# Altium PCB SIM.PcbDoc (part 2 of 2)
Units mm, origin at the board's own origin, x right, y up, seen from the top; angles counter-clockwise.
Board outline 97.32 x 70.78 mm, 2 copper layers (Top Layer, Bottom Layer), stack 1.031 mm thick; 105 components, 81 nets, 458 pads, 378 vias.
Unrouted connection lines stored in the file: 3.
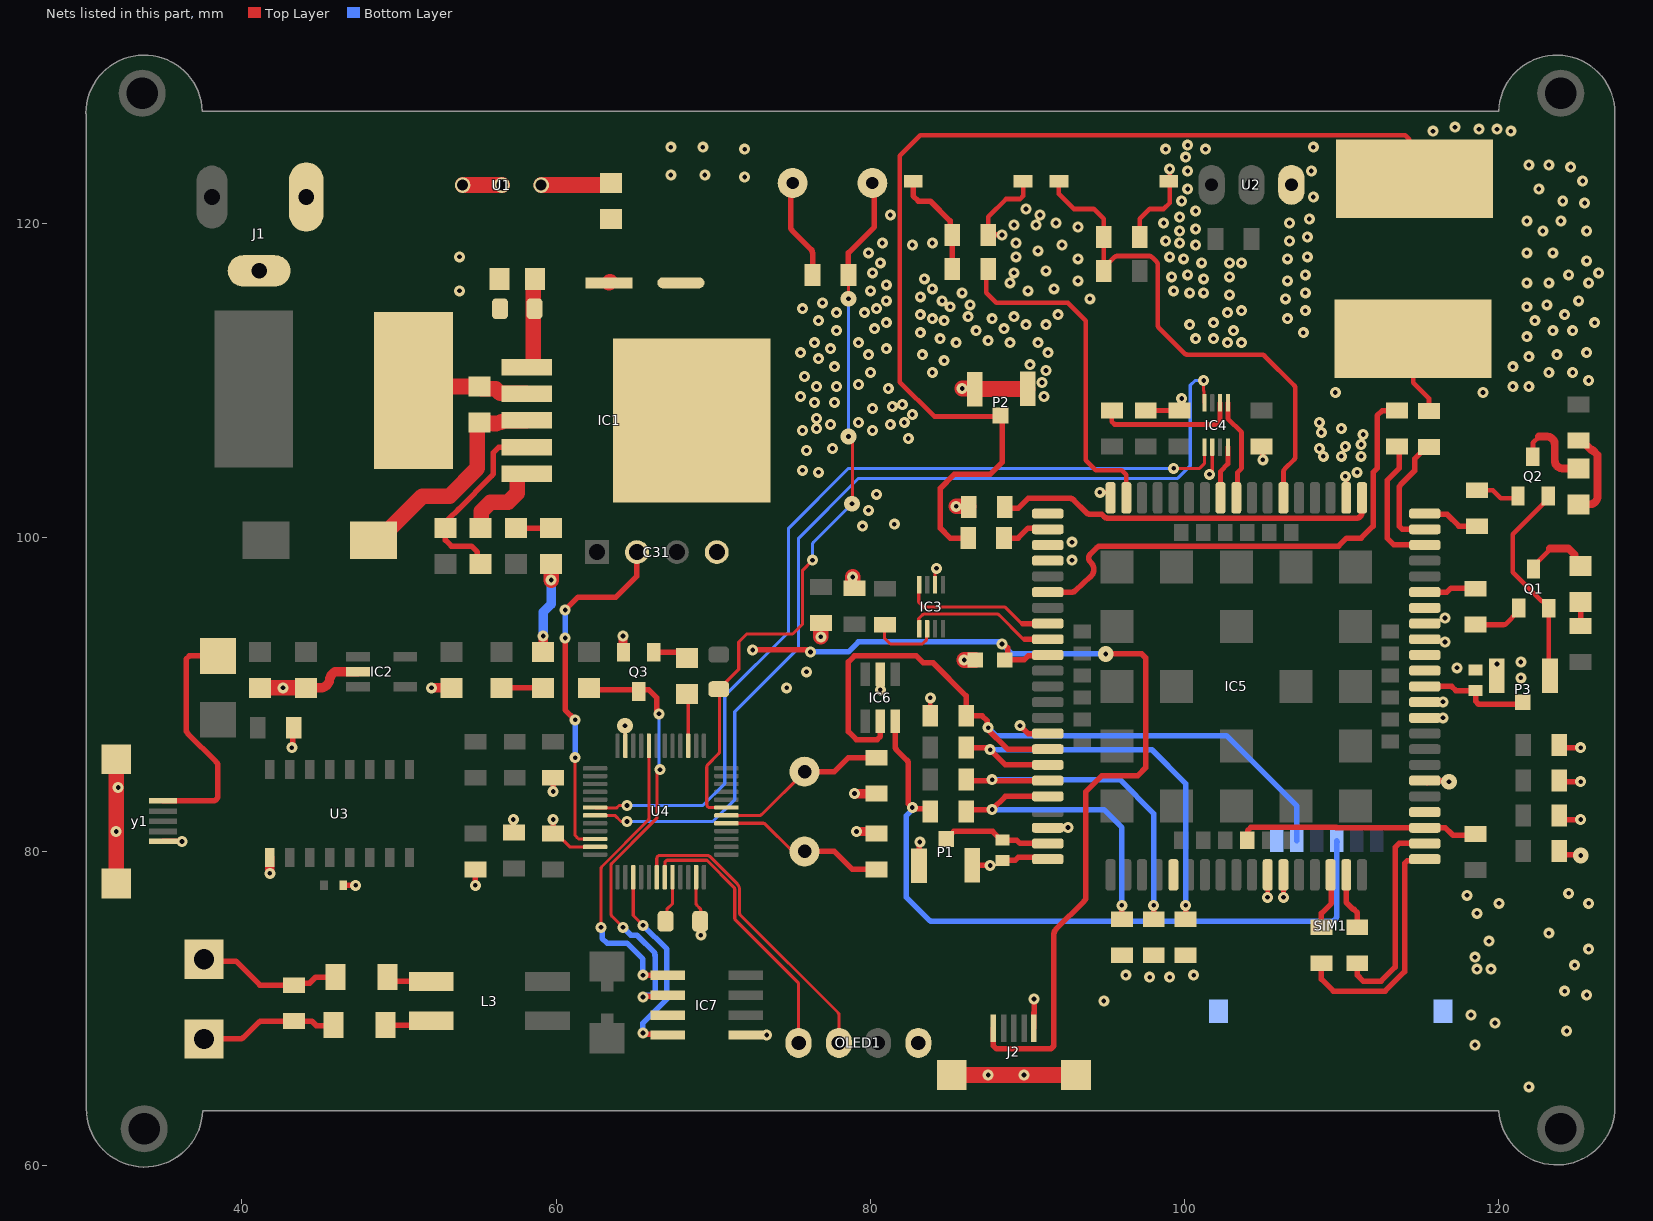
[diagram p2: the nets of this part, all layers, seen from the top]

## Via types
v1: diameter 0.7, hole 0.3, Top Layer to Bottom Layer, 361 vias
v2: diameter 1, hole 0.3, Top Layer to Bottom Layer, 17 vias

## Nets (pads, with @x,y where several pads share a name; then routed paths per layer and width w, separated by ;. In a path a pad name is that pad's centre, name@x,y a point inside that pad or via, vN(x,y) a via of type N, cw(c..) or ccw(c..) an arc to the next point about the centre after c; other vN are vias at no path point) (continued)
DE/RE: IC7.2 IC7.3 Q3.3 R25.2 | length 28.8
  Top Layer w0.2: v1(64.262,75.184) 63.559,75.887 cw(c63.7,76.029) 63.5,76.029 63.5,79.122 cw(c63.7,79.122) 63.559,79.263 66.067,81.772 66.421,82.126 66.421,82.252 66.421,84.941 cw(c66.621,84.941) 66.479,85.082 v1(66.614,85.217) ; IC7.2@66.769,70.666 IC7.2@66.905,70.802
  Top Layer w0.35: R25.2@62.103,90.424 62.23,90.297 65.913,90.297 66.424,89.786 66.424,88.897 v1(66.548,88.773) ; v1(65.532,70.739) 65.596,70.802 66.905,70.802 67.058,70.802 IC7.2@67.121,70.866
  Bottom Layer w0.2: v1(66.548,88.773) 66.548,85.366 ccw(c66.748,85.366) 66.607,85.224 v1(66.614,85.217)
  Bottom Layer w0.35: v1(64.262,75.184) 64.77,74.676 65.151,74.676 66.294,73.533 66.294,73.406 66.307,73.393 66.307,71.081 66.089,70.863 65.656,70.863 v1(65.532,70.739)
DIO: C31.2 U4.34 | length 23
  Top Layer w0.2: v1(61.214,85.979) 61.214,81.026 61.309,80.931 61.309,80.921 61.426,80.804 U4.34@62.484,80.804
  Top Layer w0.35: v1(60.579,93.599) 60.579,89.027 v1(61.214,88.392) ; v1(60.579,95.377) 60.579,95.504 60.706,95.504 61.4,96.198 63.813,96.198 65.151,97.536 C31.2@65.151,99.06
  Bottom Layer w0.35: v1(60.579,93.599) v1(60.579,95.377) ; v1(61.214,85.979) v1(61.214,88.392)
GND: C1.2 C2.2 C3.1 C4.1 C5.1 C6.2 C7.2 C8.1 C9.1 C10.1 C11.1 C12.1 C13.1 C14.1 C15.1 C17.1 C18.1 C19.1 C20.2 C21.2 C22.2 C23.1 C24.1 C25.1 C26.1 C27.2 C28.2 C29.2 C30.1 C31.4 C32.1 C33.2 D2.1 D5.2 D6.2 IC1.3 IC1.5 IC1.6 IC2.2 IC3.2 IC4.2 IC5.2 IC5.17 IC5.18 IC5.29 IC5.39 IC5.45 IC5.46 IC5.54 IC5.58 IC5.59 IC5.61 IC5.62 IC5.63 IC5.64 IC5.65 IC5.89 IC5.91 IC5.92 IC5.94 IC6.2 IC7.5 J1.3 J2.5 OLED1.1 P1.2 P1.3 P2.2 P2.3 P3.2 P3.3 PW1.2 PW2.2 Q1.2 Q2.2 Q3.2 R3.1 R14.1 R24.2 R30.2 S1.1 S2.1 SIM1.5 SIM1.8 SW1.2 U2.1 U3.1 U4.23 U4.35 U4.47 y1.5 | length 143.2
  Top Layer w0.2: C28.2@59.817,81.153 60.015,81.153 60.864,80.304 U4.35@62.484,80.304 ; v2(64.389,88.011) 64.401,87.999 64.401,86.771 64.389,86.759 U4.23@64.414,86.734 ; U4.47@68.914,78.374 68.914,76.711 ccw(c69.114,76.711) 68.972,76.57 69.157,76.385 cw(c69.015,76.244) 69.215,76.245 ; v1(69.215,74.676) 69.172,74.719 R24.2@69.172,75.565 69.088,75.649 69.215,75.776 69.215,76.244 ; IC3.2@84.124,96.985 84.124,97.807 84.217,97.901 v1(84.217,98.028) ; v1(101.6,104.013) 101.768,104.181 IC4.2@101.768,105.749
  Top Layer w0.3: v1(80.645,90.297) IC6.2@80.645,91.289 ; C26.1@83.82,88.646 v1(83.82,89.789) ; C18.1@87.503,119.253 87.503,120.396 88.646,121.539 89.535,121.539 89.733,121.737 S1.1@89.733,122.682 ; IC5.89@91.298,101.517 IC5.89@91.342,101.473 ; v1(94.615,102.87) 94.998,102.87 cw(c94.998,102.57) 95.298,102.57 IC5.17@95.298,102.517 ; C22.2@97.155,119.126 97.155,120.269 97.79,120.904 98.679,120.904 99.06,121.285 99.06,122.626 S2.1@99.004,122.682 99.06,122.932 v1(99.06,123.444) ; C19.1@97.536,108.077 C15.1@99.695,108.077 C15.1@99.791,108.343 ; C15.1@99.792,108.344 ccw(c99.509,108.445) 99.809,108.436 v1(99.822,108.839) ; v1(105.283,77.089) 105.298,77.104 IC5.45@105.298,78.517 ; IC5.46@106.298,78.517 106.299,77.676 v1(106.299,77.089) ; IC5.2@110.236,103.358 IC5.2@110.298,102.517 110.298,103.824 v1(110.236,103.886) ; Q2.2@123.159,102.636 123.159,102.461 120.904,100.205 120.904,97.783 122.747,95.94 122.922,95.94 123.197,95.665 123.197,91.266 P3.3@123.269,91.194 ; C9.1@123.859,80.047 C9.1@124.209,79.793 ; C10.1@123.859,82.291 C10.1@124.209,82.042 ; C8.1@123.859,84.535 C8.1@124.209,84.455 ; C11.1@123.859,86.778 C11.1@124.209,86.614 ; v2@125.185,79.793 v2(125.222,79.756)
  Top Layer w0.35: y1.5@34.972,80.658 34.975,80.655 36.058,80.655 36.068,80.645 v1(36.195,80.645) ; v1(43.18,86.614) 43.243,86.677 43.243,87.694 43.18,87.757 C20.2@43.307,87.884 ; C21.2@46.457,77.851 v1(47.244,77.851) ; v1(54.864,77.851) R30.2@54.864,78.867 ; v1(57.277,82.042) 57.277,81.267 C27.2@57.328,81.216 ; C28.2@59.817,81.153 v1(59.817,82.042) ; v1(59.817,83.82) C33.2@59.817,84.709 ; IC7.5@72.071,68.326 v1(73.406,68.326) ; SW1.2@75.057,122.555 74.93,122.428 74.93,119.779 ccw(c75.28,119.779) 75.032,119.532 76.225,118.339 cw(c75.977,118.092) 76.327,118.092 C29.2@76.327,116.713 ; P1.3@83.158,79.164 P1.3@83.106,79.113 83.106,80.553 v1(83.158,80.605) ; P1.2@86.494,79.118 86.819,79.121 v1(87.63,79.121) ; C18.1@87.503,119.253 v1(88.392,119.253) ; D5.2@88.429,79.438 89.218,79.438 89.409,79.629 91.186,79.629 IC5.94@91.298,79.517 ; v1(89.535,88.011) 90.043,87.503 91.284,87.503 IC5.29@91.298,87.517 ; J2.5@90.411,68.754 90.414,68.757 90.414,69.727 90.424,69.737 v1(90.424,70.612) ; IC5.92@91.298,81.517 91.315,81.534 91.324,81.525 92.574,81.525 v1(92.583,81.534) ; C14.1@104.902,105.791 104.992,105.466 v1(104.992,104.936) ; IC5.54@115.441,84.374 IC5.54@115.298,84.517 116.778,84.517 v2(116.84,84.455) ; C9.1@124.209,79.793 v2@125.185,79.793 ; C10.1@124.209,82.042 v1(125.222,82.042) ; C8.1@124.209,84.455 v1(125.222,84.455) ; C11.1@124.209,86.614 v1(125.222,86.614)
  Top Layer w0.6: v1(41.783,78.613) U3.1@41.783,79.623 ; C6.2@44.092,90.424 44.993,90.424 ccw(c44.993,91.024) 45.581,90.903 45.605,91.023 cw(c46.193,90.902) 45.928,91.44 IC2.2@47.395,91.44 ; v1(52.07,90.424) C7.2@53.34,90.424 ; PW2.2@59.182,92.71 v1(59.182,93.726) ; v1(64.262,93.726) 64.262,92.99 Q3.2@64.293,92.69 ; v1(78.994,83.693) C32.1@80.391,83.693 ; v1(79.121,81.28) 80.264,81.28 C30.1@80.391,81.153
  Top Layer w1: y1.5@32.004,77.978 y1.5@32.004,85.878 ; C5.1@41.148,90.424 C6.2@44.092,90.424 ; C1.2@48.387,99.822 48.687,99.822 51.481,102.616 53.213,102.616 54.991,104.394 54.991,107.18 D2.1@55.118,107.315 55.317,107.323 55.613,107.323 cw(c55.382,106.35) 55.695,107.3 ccw(c56.042,108.344) 56.509,107.348 cw(c56.932,106.442) 56.93,107.442 57.817,107.442 IC1.3@58.135,107.442 ; R3.1@55.198,100.584 55.245,100.631 55.245,101.649 55.831,102.235 56.945,102.235 57.531,102.821 57.531,104.017 57.556,104.042 IC1.5@58.135,104.042 ; v1(59.69,97.282) PW1.2@59.69,98.298 ; v1(76.851,93.667) C13.1@76.851,94.556 ; v1(78.883,97.477) 78.883,96.758 C12.1@79.01,96.758 ; J2.5@85.191,65.786 J2.5@93.091,65.786 ; v1(85.471,101.981) 86.27,101.981 R14.1@86.27,101.947 ; v1(85.852,109.474) 86.644,109.474 P2.2@86.644,109.443 90.032,109.443 P2.3@90.032,109.448 ; v1(85.979,92.202) C17.1@86.69,92.202
  Bottom Layer w0.6: v1(59.182,93.726) 59.182,95.25 59.69,95.758 v1(59.69,97.282)
  other v1: 121.92,65.024 87.503,65.786 89.789,65.786 118.491,67.691 124.333,68.58 119.761,69.088 118.237,69.596 94.869,70.485 125.603,70.866 124.206,71.12 97.79,72.009 99.06,72.009 96.266,72.136 100.584,72.136 118.618,72.517 119.507,72.517 124.841,72.771 118.491,73.279 125.73,73.787 119.38,74.295 123.19,74.803 118.618,76.073 120.015,76.708 125.73,76.708 117.983,77.216 124.46,77.343 32.004,81.28 32.131,84.074 116.459,88.519 116.459,89.535 42.62,90.424 74.676,90.424 121.412,91.059 75.946,91.44 117.348,91.694 119.888,91.948 121.412,92.075 116.586,93.345 116.586,94.869 92.837,98.552 92.837,99.695 79.502,100.711 81.534,100.838 79.883,101.727 80.391,102.743 76.708,104.14 110.998,104.14 75.692,104.267 108.839,105.156 109.982,105.156 111.252,105.156 75.946,105.537 77.597,105.664 108.585,105.664 110.236,105.791 111.252,105.918 82.423,106.299 111.379,106.553 108.712,106.68 75.692,106.807 80.137,106.807 76.581,106.934 109.982,106.934 77.47,107.188 81.28,107.188 79.248,107.315 82.169,107.315 108.585,107.315 76.581,107.569 82.677,107.823 80.137,108.204 81.407,108.331 82.042,108.458 76.454,108.585 77.724,108.585 75.565,108.966 91.059,108.966 109.601,109.22 118.999,109.22 81.153,109.474 76.581,109.601 77.851,109.601 120.904,109.601 121.92,109.601 79.248,109.728 90.932,109.855 125.73,109.982 75.819,110.236 80.01,110.49 83.947,110.49 123.19,110.49 124.714,110.49 91.186,110.617 77.724,110.871 120.904,110.871 90.17,110.998 84.709,111.252 76.708,111.379 121.92,111.506 79.883,111.633 83.312,111.633 123.698,111.633 75.565,111.76 91.313,111.76 125.603,111.76 77.47,112.014 81.026,112.014 76.454,112.395 79.248,112.395 85.471,112.395 88.9,112.395 90.678,112.395 102.743,112.395 103.632,112.395 87.503,112.522 84.455,112.649 100.711,112.649 101.854,112.649 121.793,112.776 83.185,113.03 107.569,113.03 77.851,113.157 86.741,113.157 103.124,113.157 123.444,113.157 124.714,113.157 80.264,113.284 88.519,113.284 89.916,113.538 91.186,113.538 100.33,113.538 81.026,113.665 101.854,113.665 126.111,113.665 76.708,113.792 84.709,113.792 122.301,113.792 83.947,113.919 87.757,113.919 106.553,113.919 86.233,114.046 89.154,114.046 83.185,114.173 91.948,114.173 124.206,114.173 77.851,114.3 79.629,114.3 102.743,114.3 103.632,114.427 107.696,114.427 75.692,114.554 80.391,114.554 85.09,114.681 121.793,114.681 86.36,114.808 123.063,114.808 76.962,114.935 81.026,115.062 84.582,115.062 125.095,115.062 93.98,115.189 106.426,115.189 83.185,115.316 102.87,115.443 85.852,115.57 100.33,115.57 101.219,115.57 107.696,115.57 53.848,115.697 80.01,115.697 90.043,115.697 99.314,115.697 83.947,115.824 91.694,115.824 81.026,116.078 88.9,116.205 121.793,116.205 123.19,116.205 125.73,116.205 93.218,116.332 106.553,116.332 83.439,116.459 101.219,116.459 99.187,116.586 102.87,116.586 100.203,116.713 107.696,116.713 124.46,116.713 80.137,116.84 89.154,116.84 126.365,116.84 91.186,116.967 80.645,117.475 101.092,117.475 102.87,117.475 103.632,117.475 125.603,117.602 93.218,117.729 99.949,117.729 106.553,117.729 53.848,117.856 89.281,117.856 99.06,117.856 107.823,117.856 79.883,118.11 121.793,118.11 123.444,118.11 90.678,118.237 82.677,118.618 92.202,118.618 100.711,118.618 80.772,118.745 83.947,118.745 89.281,118.745 99.695,118.745 98.806,118.872 106.68,118.872 107.823,119.126 99.695,119.507 122.809,119.507 125.603,119.507 100.711,119.634 93.218,119.761 89.154,119.888 90.551,119.888 91.821,120.015 98.679,120.015 106.68,120.015 121.793,120.142 123.952,120.142 107.95,120.269 99.695,120.396 81.28,120.523 90.805,120.523 100.711,120.777 89.916,120.904 125.476,121.285 99.822,121.412 124.079,121.412 108.204,121.666 100.203,122.174 122.555,122.174 125.349,122.682 72.009,122.936 67.31,123.063 69.469,123.063 100.203,123.317 108.077,123.317 124.587,123.571 121.92,123.698 123.19,123.698 100.076,124.206 72.009,124.714 98.806,124.714 101.346,124.714 67.31,124.841 69.342,124.841 108.204,124.841 100.203,124.968 115.824,125.857 120.777,125.857 118.745,125.984 119.888,125.984 117.221,126.111
LOG_RX: IC3.4 IC5.22 | length 9.9
  Top Layer w0.2: IC3.4@83.124,96.985 83.089,96.95 83.089,95.937 ccw(c83.289,95.937) 83.147,95.796 83.312,95.631 ccw(c83.453,95.772) 83.453,95.572 88.495,95.572 cw(c88.495,95.372) 88.635,95.515 89.575,94.575 ccw(c89.716,94.717) 89.715,94.517
  Top Layer w0.35: 89.715,94.517 IC5.22@91.298,94.517
LOG_TX: IC3.5 IC5.23 | length 9.6
  Top Layer w0.2: IC3.5@83.124,94.175 83.089,94.21 83.089,94.838 83.311,95.061 cw(c83.452,94.918) 83.452,95.118 88.06,95.118 cw(c88.06,94.918) 88.201,95.06 89.687,93.574 ccw(c89.827,93.717) 89.826,93.517
  Top Layer w0.35: 89.826,93.517 IC5.23@91.298,93.517
NET: IC5.52
NetC16_1: C16.1 IC5.90 | length 3.2
  Top Layer w0.35: C16.1@88.646,99.822 C16.1@88.519,99.949 89.408,99.949 90.043,100.584 91.231,100.584 IC5.90@91.298,100.517
NetC16_2: C16.2 L2.1 P2.1 | length 69.7
  Top Layer w0.3: P2.1@88.292,107.755 88.233,107.696 84.074,107.696 81.883,109.887 81.883,124.301 83.185,125.603 114.046,125.603 114.3,125.349 114.3,123.175 L2.1@114.65,122.825
  Top Layer w0.35: C16.2@86.233,99.949 85.09,99.949 84.455,100.584 84.455,103.124 85.344,104.013 87.63,104.013 88.392,104.775 88.392,107.655 P2.1@88.292,107.755
NetC18_2: C18.2 R16.1 S1.2 | length 7.1
  Top Layer w0.35: S1.2@82.733,122.682 82.733,121.737 83.058,121.412 83.82,121.412 85.09,120.142 85.09,119.38 C18.2@85.217,119.253 R16.1@85.217,117.094
NetC22_1: C22.1 IC5.6 R19.2 S2.2 | length 33.3
  Top Layer w0.3: S2.2@92.004,122.682 92.004,121.864 92.964,120.904 94.234,120.904 94.869,120.269 C22.1@94.869,119.126 R19.2@94.869,117.165 ; R19.2@94.869,116.967 R19.2@94.869,117.165 ; IC5.6@106.298,102.517 106.299,103.358 106.299,104.143 cw(c106.599,104.143) 106.387,104.355 106.973,104.941 ccw(c106.761,105.153) 107.061,105.153 107.061,109.477 ccw(c106.761,109.477) 106.973,109.689 105.117,111.545 ccw(c104.905,111.333) 104.905,111.633 100.2,111.633 cw(c100.2,111.933) 99.989,111.72 98.386,113.323 cw(c98.598,113.535) 98.298,113.535 98.298,117.351 ccw(c97.998,117.351) 98.21,117.563 97.944,117.829 ccw(c97.733,117.616) 97.733,117.916 95.743,117.915 ccw(c95.743,117.616) 95.531,117.828 R19.2@94.869,117.165
NetC23_2: C23.2 IC5.32 R22.1 | length 23.1
  Top Layer w0.35: R22.1@86.106,84.582 86.171,84.517 IC5.32@91.298,84.517 ; C23.2@98.044,75.692 v1(98.044,76.581)
  Bottom Layer w0.35: v1(87.757,84.582) 95.885,84.582 98.044,82.423 v1(98.044,76.581)
NetC24_2: C24.2 IC5.33 R21.1 | length 20.2
  Top Layer w0.35: R21.1@86.106,82.55 86.233,82.677 v1(87.757,82.677) 88.597,83.517 IC5.33@91.298,83.517 ; C24.2@96.012,75.692 v1(96.012,76.581)
  Bottom Layer w0.35: v1(87.757,82.677) 94.869,82.677 96.012,81.534 v1(96.012,76.581)
NetC25_2: C25.2 IC5.31 R20.1 | length 27.6
  Top Layer w0.35: R20.1@86.106,86.614 87.503,86.614 v1(87.63,86.487) 88.577,85.54 91.275,85.54 IC5.31@91.298,85.517 ; C25.2@100.076,75.692 v1(100.076,76.581)
  Bottom Layer w0.35: v1(87.63,86.487) 97.917,86.487 100.076,84.328 v1(100.076,76.581)
NetC29_1: C29.1 R23.2 SW1.1 U4.7 | length 47.3
  Top Layer w0.2: U4.7@70.844,82.804 69.795,82.804 cw(c69.796,83.004) 69.596,83.003 69.596,85.389 cw(c69.796,85.388) 69.654,85.529 70.343,86.218 ccw(c70.201,86.359) 70.401,86.359 70.401,90.297 R23.2@70.358,90.34 70.569,90.551 70.638,90.551 70.823,90.736 70.823,90.805 71.628,91.61 71.628,93.345 72.136,93.853 75.057,93.853 75.692,94.488 75.692,97.917 v1(76.327,98.552) ; v2(78.613,106.426) 78.808,106.231 cw(c78.667,106.089) 78.867,106.089 78.867,102.245 cw(c78.667,102.246) v2(78.836,102.139) ; v2(78.613,115.189) C29.1@78.613,116.713
  Top Layer w0.35: C29.1@78.613,116.713 78.613,118.11 80.264,119.761 80.264,122.428 SW1.1@80.137,122.555
  Bottom Layer w0.2: v1(76.327,98.552) 76.327,99.548 cw(c76.527,99.547) 76.385,99.688 v2(78.836,102.139) ; v2(78.613,106.426) v2(78.613,115.189)
NetC30_2: C30.2 U4.5 X1.2 | length 10.7
  Top Layer w0.2: U4.5@70.844,81.804 73.18,81.804 cw(c73.18,81.604) 73.321,81.746 74.999,80.068 ccw(c75.14,80.21) 75.139,80.01 X1.2@75.819,80.01
  Top Layer w0.35: X1.2@75.819,80.01 77.724,80.01 78.867,78.867 C30.2@80.391,78.867
NetC32_2: C32.2 U4.6 X1.1 | length 11.1
  Top Layer w0.2: U4.6@70.844,82.304 72.95,82.304 ccw(c72.95,82.504) 73.091,82.362 X1.1@75.819,85.09
  Top Layer w0.35: X1.1@75.819,85.09 77.724,85.09 78.613,85.979 C32.2@80.391,85.979
NetD1_1: D1.1 U1.3 | length 4.5
  Top Layer w1: U1.3@59.055,122.428 63.373,122.428 D1.1@63.5,122.555
NetD2_2: D2.2 IC1.2 L1.1 | length 7.5
  Top Layer w1: L1.1@50.927,109.347 51.181,109.601 D2.2@55.118,109.601 55.253,109.466 56.142,109.466 56.441,109.167 58.11,109.167 IC1.2@58.135,109.142
NetD3_1: D3.1 R5.1 | length 2
  Top Layer w0.35: R5.1@124.872,94.156 ccw(c124.872,94.506) 125.119,94.258 R5.1@125.222,94.361 D3.1@125.222,95.885 D3.1@125.244,95.907
NetD3_2: D3.2 Q1.3 | length 4.6
  Top Layer w0.3: Q1.3@122.216,97.99 122.216,98.165 123.258,99.206 123.258,99.304
  Top Layer w0.5: 123.258,99.304 124.431,99.304 124.841,98.894 124.841,98.556 124.862,98.535 125.078,98.535 124.968,98.425 D3.2@125.222,98.171
NetD4_1: D4.1 R6.1 | length 5.7
  Top Layer w0.5: D4.1@125.095,102.108 125.798,102.108 ccw(c125.798,102.608) 126.297,102.608 126.297,105.238 125.967,105.568 125.897,105.568 125.293,106.172 R6.1@125.095,106.172
NetD4_2: D4.2 Q2.3 | length 5.6
  Top Layer w0.3: Q2.3@122.179,105.136 122.179,106.017 122.578,106.416
  Top Layer w0.5: 122.578,106.416 123.071,106.416 cw(c123.071,105.916) 123.571,105.916 123.571,104.892 ccw(c124.071,104.894) 124.069,104.394 D4.2@125.095,104.394
NetD5_1: D5.1 IC5.93 P1.1 | length 7.1
  Top Layer w0.35: P1.1@84.844,80.808 P1.1@84.846,80.806 84.963,80.923 84.963,81.075 85.115,81.075 85.32,81.28 87.787,81.28 88.331,80.736 88.428,80.736 D5.1@88.429,80.738 89.315,80.738 89.535,80.518 IC5.93@91.298,80.517 IC5.93@91.298,80.517
NetD6_1: D6.1 IC5.60 P3.1 | length 7.2
  Top Layer w0.35: IC5.60@115.298,90.517 117.001,90.517 117.27,90.248 D6.1@118.528,90.248 118.528,89.576 118.733,89.371 121.399,89.371 P3.1@121.529,89.501
NetD7_1: D7.1 y1.1 | length 15.3
  Top Layer w0.35: y1.1@34.972,83.228 38.131,83.228 ccw(c38.131,83.578) 38.481,83.578 38.481,85.453 ccw(c38.131,85.453) 38.379,85.7 36.55,87.529 cw(c36.799,87.775) 36.449,87.773 36.449,92.251 36.654,92.456 D7.1@38.481,92.456
NetF1_1: F1.1 L3.2 | length 3
  Top Layer w0.35: F1.1@49.149,68.961 51.779,68.961 L3.2@52.053,69.235
NetF1_2: F1.2 JP1.1 R29.1 | length 9.2
  Top Layer w0.35: JP1.1@37.592,68.072 39.86,68.072 ccw(c39.86,68.422) 40.107,68.174 41.046,69.113 cw(c41.293,68.865) 41.292,69.215 41.293,69.215 R29.1@43.307,69.215 44.45,69.215 44.75,68.915 45.802,68.915 F1.2@45.847,68.961 F1.2@45.593,69.215
NetF2_1: F2.1 L3.3 | length 2.9
  Top Layer w0.35: F2.1@49.276,72.009 49.53,71.755 52.033,71.755 L3.3@52.053,71.735
NetF2_2: F2.2 JP1.2 R29.2 | length 9.3
  Top Layer w0.35: JP1.2@37.592,73.152 37.719,73.025 39.624,73.025 41.148,71.501 R29.2@43.307,71.501 43.434,71.628 44.323,71.628 44.704,72.009 F2.2@45.974,72.009
NetIC1_4: IC1.4 R1.1 R3.2 | length 12.3
  Top Layer w0.35: R3.2@55.198,98.298 54.993,98.503 54.993,99.06 54.991,99.06 54.61,99.441 53.34,99.441 52.959,99.822 R1.1@52.959,100.584 53.086,100.711 53.086,100.948 cw(c53.436,100.947) 53.187,101.193 53.783,101.789 55.906,103.912 ccw(c55.657,104.158) 56.007,104.158 56.007,105.392 56.357,105.742 IC1.4@58.135,105.742
NetIC3_6: IC3.6 R7.2 | length 4.5
  Top Layer w0.2: R7.2@80.953,94.437 80.899,94.384 80.899,93.599 81.28,93.218 83.312,93.218 83.589,93.495 83.589,94.14 IC3.6@83.624,94.175
NetIC4_1: IC4.1 U4.30 | length 56.1
  Top Layer w0.2: U4.30@62.484,82.804 62.524,82.764 63.841,82.764 64.008,82.931 v1(64.516,82.931) ; v1(99.314,104.394) 100.965,104.394 101.268,104.697 IC4.1@101.268,105.749
  Bottom Layer w0.2: v1(64.516,82.931) 69.342,82.931 70.739,84.328 70.739,89.916 74.803,93.98 74.803,100.584 78.613,104.394 v1(99.314,104.394)
NetIC4_6: IC4.6 R9.2 | length 8.9
  Top Layer w0.3: R9.2@95.377,108.077 95.377,107.364 95.553,107.188 101.981,107.188 102.268,107.475 IC4.6@102.268,108.559
NetIC4_8: IC4.8 U4.31 | length 62.3
  Top Layer w0.2: U4.31@62.484,82.304 63.746,82.304 64.135,81.915 v1(64.516,81.915) ; v1(101.219,109.982) 101.219,109.332 101.233,109.318 101.233,108.594 IC4.8@101.268,108.559
  Bottom Layer w0.2: v1(64.516,81.915) 69.977,81.915 71.374,83.312 71.374,88.9 75.438,92.964 75.438,99.949 79.248,103.759 99.568,103.759 100.372,104.563 100.372,109.686 100.668,109.982 v1(101.219,109.982)
NetIC5_1: IC5.1 R14.2 | length 24.7
  Top Layer w0.35: R14.2@88.556,101.947 88.649,101.854 89.408,101.854 90.043,102.489 92.692,102.489 cw(c92.692,102.139) 92.938,102.388 93.75,101.576 ccw(c93.998,101.823) 93.997,101.473 94.729,101.473 94.88,101.322 ccw(c95.128,101.569) 95.128,101.219 110.948,101.219 ccw(c110.948,101.569) 111.298,101.569 IC5.1@111.298,102.517
NetIC5_16: IC5.16 R16.2 | length 22
  Top Layer w0.3: R16.2@87.503,117.094 87.376,116.967 87.376,115.57 87.885,115.061 88.011,114.935 92.583,114.935 93.726,113.792 93.726,104.902 94.361,104.267 96.012,104.267 96.298,103.981 IC5.16@96.298,102.517
NetIC5_20: IC5.20 R18.1 | length 32
  Top Layer w0.35: IC5.20@91.298,96.517 91.301,96.52 92.819,96.52 ccw(c92.819,96.87) 93.057,96.613 94.024,97.509 ccw(c93.599,97.968) 94.041,98.41 94.005,98.445 cw(c94.253,98.693) 94.005,98.94 94.404,99.339 cw(c94.652,99.092) 94.619,99.44 94.622,99.441 cw(c94.648,99.167) 94.648,99.442 96.748,99.442 cw(c96.748,99.167) 96.764,99.441 ccw(c96.782,99.791) 96.781,99.441 98.416,99.441 ccw(c98.415,99.791) 98.433,99.441 cw(c98.448,99.167) 98.448,99.442 100.548,99.442 cw(c100.548,99.167) 100.564,99.441 ccw(c100.582,99.791) 100.581,99.441 102.216,99.441 ccw(c102.215,99.791) 102.233,99.441 cw(c102.248,99.167) 102.248,99.442 104.348,99.442 cw(c104.348,99.167) 104.364,99.441 ccw(c104.382,99.791) 104.381,99.441 106.016,99.441 ccw(c106.015,99.791) 106.033,99.441 cw(c106.048,99.167) 106.048,99.442 108.148,99.442 cw(c108.148,99.167) 108.164,99.441 ccw(c108.182,99.791) 108.181,99.441 109.816,99.441 110.324,99.949 111.252,99.949 112.014,100.711 112.014,104.14 112.268,104.394 112.268,107.745 112.6,108.077 R18.1@113.538,108.077
NetIC5_49: IC5.49 R15.2 | length 3.6
  Top Layer w0.35: R15.2@108.712,75.184 108.712,76.073 109.347,76.708 109.347,78.468 IC5.49@109.298,78.517
NetIC5_50: IC5.50 R13.2 | length 3.7
  Top Layer w0.35: IC5.50@110.298,78.517 110.298,76.773 110.744,76.327 110.793,76.327 110.998,76.122 R13.2@110.998,75.184
NetIC5_95: IC5.95 R15.1 | length 15.4
  Top Layer w0.35: R15.1@108.712,72.898 108.712,71.882 109.474,71.12 112.776,71.12 114.015,72.359 114.015,79.248 114.173,79.406 115.187,79.406 IC5.95@115.298,79.517
NetIC5_96: IC5.96 R13.1 | length 13.3
  Top Layer w0.35: R13.1@110.998,72.898 110.998,72.136 111.379,71.755 112.522,71.755 113.411,72.644 113.411,80.264 113.664,80.517 IC5.96@115.298,80.517
NetIC5_97: IC5.97 IC5.116 R17.1 | length 15.6
  Top Layer w0.35: IC5.116@103.998,80.717 104.14,80.859 104.013,80.986 104.013,81.329 104.226,81.542 109.65,81.542 109.658,81.534 115.281,81.534 IC5.97@115.298,81.517 116.603,81.517 116.981,81.139 117.094,81.026 118.435,81.026 R17.1@118.528,81.119
NetIC5_98: IC5.98 R18.2 | length 9
  Top Layer w0.35: R18.2@113.411,105.825 R18.2@113.538,105.698 ; R18.2@113.538,105.791 113.665,105.664 113.665,104.394 112.903,103.632 112.903,99.949 113.335,99.517 IC5.98@115.298,99.517
NetIC5_99: IC5.99 R12.1 | length 7.6
  Top Layer w0.35: IC5.99@115.298,100.517 113.87,100.517 113.665,100.722 113.665,103.107 cw(c114.015,103.106) 113.766,103.352 114.656,104.242 114.656,105.004 115.307,105.655 cw(c115.554,105.407) 115.553,105.757 115.554,105.757 R12.1@115.57,105.757
NetIC7_1: IC7.1 U4.20 | length 19.3
  Top Layer w0.2: v1(62.865,75.184) 62.865,78.911 cw(c63.065,78.911) 62.924,79.053 65.856,81.985 ccw(c65.714,82.126) 65.914,82.126 U4.20@65.914,86.734
  Top Layer w0.35: v1(65.532,72.136) IC7.1@67.121,72.136
  Bottom Layer w0.35: v1(62.865,75.184) 62.932,75.117 62.932,74.482 63.246,74.168 64.516,74.168 65.532,73.152 v1(65.532,72.136)
NetIC7_4: IC7.4 U4.39 | length 13.1
  Top Layer w0.2: U4.39@64.914,78.374 64.914,75.929 v1(65.532,75.311)
  Top Layer w0.35: v1(65.532,68.453) 65.596,68.389 67.058,68.389 IC7.4@67.121,68.326
  Bottom Layer w0.35: v1(65.532,68.453) 65.532,69.088 67.056,70.612 67.056,73.787 v1(65.532,75.311)
NetJ1_1: J1.1 U1.1 U1.2 | length 2.5
  Top Layer w1: U1.1@54.055,122.428 U1.2@56.555,122.428
NetL2_2: L2.2 R12.2 | length 5
  Top Layer w0.3: L2.2@114.554,112.649 114.554,109.855 115.57,108.839 R12.2@115.57,108.043
NetPW1_1: PW1.1 R2.2 | length 2.3
  Top Layer w0.35: R2.2@57.438,100.584 PW1.1@59.69,100.584
NetPW2_1: PW2.1 R4.1 | length 2.7
  Top Layer w0.35: R4.1@56.515,90.424 PW2.1@59.182,90.424
NetQ1_1: Q1.1 R10.1 | length 3.3
  Top Layer w0.3: 120.306,94.454 120.405,94.454 121.272,95.32 Q1.1@121.272,95.495
  Top Layer w0.35: R10.1@118.528,94.454 120.306,94.454
NetQ2_1: Q2.1 R11.1 | length 2.9
  Top Layer w0.3: R11.1@118.618,102.997 119.634,102.997 120.142,102.489 121.082,102.489 Q2.1@121.234,102.641
NetQ3_1: Q3.1 R26.2 | length 2.3
  Top Layer w0.35: Q3.1@66.218,92.685 67.97,92.685 R26.2@68.326,92.329
NetR24_1: R24.1 U4.44 | length 3
  Top Layer w0.2: R24.1@66.972,75.565 67.056,75.649 67.056,76.327 67.414,76.685 U4.44@67.414,78.374
NetR26_1: R26.1 U4.15 | length 3.3
  Top Layer w0.2: R26.1@68.326,90.043 68.414,89.955 U4.15@68.414,86.734
OLED_SCL: OLED1.3 U4.42 | length 19.9
  Top Layer w0.2: U4.42@66.414,78.374 66.414,79.557 cw(c66.614,79.556) 66.613,79.756 67.9,79.756 cw(c67.9,79.556) 67.917,79.755 67.98,79.75 ccw(c67.997,79.949) 67.996,79.749 69.607,79.749 cw(c69.606,79.449) 69.818,79.661 71.527,77.952 cw(c71.174,77.598) 71.674,77.598 71.674,76.11 ccw(c71.874,76.11) 71.732,75.969 77.945,69.756 cw(c77.803,69.615) 78.003,69.616 ; OLED1.3@78.003,67.818 78.003,69.615
OLED_SDA: OLED1.4 U4.43 | length 17.7
  Top Layer w0.2: U4.43@66.914,78.374 66.929,78.389 66.929,79.322 67.056,79.449 69.606,79.449 71.315,77.739 cw(c71.174,77.598) 71.374,77.598 71.374,75.773 ccw(c71.574,75.775) 71.432,75.634 75.379,71.687 cw(c75.238,71.545) 75.438,71.546 ; OLED1.4@75.438,67.818 75.438,71.545
RESET: IC6.6 R21.2 SIM1.2 | length 46
  Top Layer w0.35: IC6.6@81.595,88.289 81.595,86.658 ccw(c81.849,86.658) 81.669,86.479 82.349,85.799 cw(c82.169,85.62) 82.423,85.62 82.423,83.058 v1(82.677,82.804) 82.755,82.726 83.263,82.726 83.644,82.726 R21.2@83.82,82.55
  Bottom Layer w0.35: v1(82.677,82.804) 82.677,82.677 82.296,82.296 82.296,77.089 83.717,75.668 ccw(c83.965,75.915) 83.965,75.565 109.34,75.565 ccw(c109.339,75.915) 109.689,75.915 109.689,80.602 109.728,80.641 SIM1.2@109.689,80.68
SIM_PPS: IC5.100 R11.2 | length 3.7
  Top Layer w0.35: IC5.100@115.298,101.517 115.342,101.473 116.713,101.473 117.475,100.711 R11.2@118.618,100.711
SIM_RX: IC4.4 IC5.10 | length 3.4
  Top Layer w0.3: IC5.10@102.298,102.517 102.298,104.203 102.768,104.673 IC4.4@102.768,105.749
SIM_TX: IC4.5 IC5.9 | length 6.6
  Top Layer w0.3: IC4.5@102.768,108.559 102.768,107.544 103.632,106.68 103.632,104.394 103.378,104.14 103.378,102.691 103.251,102.564 IC5.9@103.298,102.517
STATUS: IC5.66 R10.2 | length 3.4
  Top Layer w0.35: IC5.66@115.298,96.517 116.71,96.517 116.967,96.774 118.494,96.774 R10.2@118.528,96.74
V_USIM: C26.2 IC5.30 IC6.5 SIM1.1 | length 48
  Top Layer w0.35: IC6.5@80.645,88.289 80.645,87.327 80.44,87.122 79.121,87.122 78.613,87.63 78.613,92.075 78.994,92.456 82.931,92.456 83.376,92.011 84.01,92.011 86.106,89.916 C26.2@86.106,88.646 87.122,88.646 87.436,88.332 87.436,87.951 v1(87.503,87.884) ; v1@87.439,87.82 88.743,86.517 IC5.30@91.298,86.517
  Bottom Layer w0.35: v1(87.503,87.884) 88.011,87.376 102.665,87.376 107.149,82.892 SIM1.1@107.149,80.68
VBUS: C17.2 IC5.24 J2.1 | length 63.5
  Top Layer w0.35: v1(72.517,92.837) 76.073,92.837 v1(76.2,92.71) ; J2.1@87.841,68.754 87.844,68.751 87.844,67.639 88.046,67.437 91.489,67.437 91.694,67.642 91.694,74.786 cw(c92.044,74.785) 91.795,75.031 93.625,76.861 ccw(c93.376,77.107) 93.726,77.107 93.726,83.82 94.742,84.836 97.028,84.836 97.536,85.344 97.536,92.329 97.282,92.583 v2(94.996,92.583) ; v1(88.392,93.218) 88.487,93.218 88.741,92.964 88.741,92.373 C17.2@88.57,92.202 89.789,92.202 90.043,92.456 91.237,92.456 IC5.24@91.298,92.517
  Bottom Layer w0.35: v1(76.2,92.71) 78.613,92.71 79.248,93.345 88.265,93.345 v1(88.392,93.218) 89.027,92.583 v2(94.996,92.583)
VIN: C2.1 C3.2 C4.2 D1.2 IC1.1 | length 6.2
  Top Layer w1: IC1.1@58.135,110.842 58.522,110.842 58.547,110.867 58.547,116.26 C3.2@58.674,116.459 ; C2.1@63.373,116.205 C2.1@63.436,116.268 ; D1.2@63.436,120.206 D1.2@63.5,120.269
pads on no net: IC2.4 IC5.3 IC5.4 IC5.7 IC5.8 IC5.11 IC5.12 IC5.13 IC5.14 IC5.19 IC5.21 IC5.25 IC5.26 IC5.34 IC5.35 IC5.36 IC5.37 IC5.38 IC5.40 IC5.41 IC5.42 IC5.43 IC5.44 IC5.47 IC5.48 IC5.51 IC5.53 IC5.67 IC5.68 IC5.69 IC5.70 IC5.71 IC5.72 IC5.73 IC5.74 IC5.75 IC5.76 IC5.77 IC5.78 IC5.79 IC5.80 IC5.81 IC5.82 IC5.83 IC5.84 IC5.85 IC5.86 IC5.87 IC5.88 IC5.101 IC5.102 IC5.103 IC5.104 IC5.105 IC5.106 IC5.107 IC5.108 IC5.109 IC5.110 IC5.111 IC5.112 IC5.113 IC5.114 IC5.115 IC5.117 IC5.118 IC5.119 IC5.120 IC5.121 IC5.122 IC5.123 IC5.124 IC6.4 J1.2 J2.4 SIM1.6 U3.7 U3.8 U3.9 U3.10 U3.11 U3.12 U3.13 U3.14 U3.15 U4.1 U4.2 U4.3 U4.4 U4.8 U4.9 U4.10 U4.11 U4.12 U4.13 U4.14 U4.16 U4.17 U4.18 U4.19 U4.21 U4.22 U4.25 U4.26 U4.27 U4.28 U4.29 U4.32 U4.33 U4.38 U4.40 U4.41 U4.45 U4.46 y1.4

## Polygon pours and split planes (outlines as drawn)
GND on Top Layer "NONET_L-01_P-001" (solid, remove dead copper, pour order 31): 53.34,118.491 56.388,118.491 57.023,117.856 57.023,114.046 56.515,113.538 54.102,113.538 54.102,114.427 53.34,115.189
NetJ1_1 on Top Layer "NONET_L-01_P-001" (solid, remove dead copper, pour order 29): 41.021,125.984 41.021,120.015 42.291,118.745 56.261,118.745 57.15,119.634 57.15,125.222 56.388,125.984
NetD1_1 on Top Layer "NONET_L-01_P-001" (solid, remove dead copper, pour order 28): 65.278,121.793 58.293,121.793 57.531,122.555 57.531,125.984 65.278,125.984
3.8V on Top Layer "NONET_L-01_P-001" (solid, remove dead copper, pour order 1): 45.212,115.57 45.212,97.409 44.323,96.52 35.814,96.52 33.909,98.425 33.909,113.792 35.687,115.57
DE/RE on Top Layer "NONET_L-01_P-001" (solid, remove dead copper, pour order 27): 66.04,71.247 68.199,71.247 68.199,69.215 66.04,69.215
3.8V on Top Layer "NONET_L-01_P-001" (solid, remove dead copper, pour order 23): 113.983,87.884 122.364,87.884 122.872,87.376 122.872,79.248 122.492,78.867 121.221,78.867 121.221,78.994 120.713,79.502 120.713,84.709 120.206,85.217 114.236,85.217 113.983,85.471
3V3 on Top Layer "NONET_L-01_P-001" (solid, remove dead copper, pour order 17): 57.912,94.234 50.292,94.234 49.53,93.472 49.53,91.948 49.911,91.567 53.975,91.567 54.229,91.313 54.229,89.789 53.848,89.408 53.848,86.487 55.88,86.487 55.88,88.519 55.88,89.281 55.499,89.662 55.499,91.44 55.753,91.694 57.277,91.694 57.912,92.329
GND on Top Layer "NONET_L-01_P-001" (solid, remove dead copper, pour order 13): 95.123,74.676 101.092,74.676 101.473,74.295 101.473,71.755 95.25,71.755 94.869,72.136 94.869,74.486
GND on Top Layer "NONET_L-01_P-001" (solid, remove dead copper, pour order 11): 98.806,77.343 98.806,79.883 98.933,80.01 106.553,80.01 106.807,79.756 106.807,76.581 106.553,76.327 105.029,76.327 104.775,76.581 104.775,79.502 104.648,79.629 99.949,79.629 99.695,79.375 99.695,77.343
GND on Top Layer "NONET_L-01_P-001" (solid, remove dead copper, pour order 10): 90.043,99.949 90.043,98.171 90.17,98.044 93.091,98.044 93.218,98.425 93.218,101.6 92.837,101.981 90.297,101.981 90.043,101.727 90.043,101.219 90.17,101.092 92.456,101.092 92.583,100.965 92.583,100.203 92.329,99.949
GND on Top Layer "NONET_L-01_P-001" (solid, remove dead copper, pour order 9): 117.094,88.392 116.84,88.138 113.919,88.138 113.919,95.885 114.046,96.012 116.586,96.012 116.967,95.631 116.967,92.583 117.221,92.329 120.523,92.329 120.904,92.71 124.057,92.71 124.057,90.043 119.307,90.297 119.05,91.186 114.427,91.186 114.173,90.932 114.173,90.17 114.427,89.916 117.094,89.916
GND on Top Layer "GN" (solid, remove dead copper, pour order 2): 66.294,113.538 65.405,112.649 62.865,112.649 61.341,111.125 61.341,108.458 61.341,108.204 61.087,108.077 54.229,108.077 53.975,107.823 53.975,104.394 52.959,103.378 47.244,103.378 46.228,102.362 46.228,100.076 46.228,97.917 49.276,97.917 50.038,97.917 50.8,98.679 50.8,100.838 52.07,102.108 53.467,102.108 55.499,104.14 55.499,106.553 61.341,106.553 61.341,105.283 60.833,104.775 56.515,104.775 56.388,104.648 56.388,103.378 56.515,103.251 61.214,103.251 62.23,102.235 73.914,102.235 74.295,102.616 73.996,123.997 72.39,125.603 66.294,125.603
VIN on Top Layer "NONET_L-01_P-001" (solid, remove dead copper, pour order 0): 61.722,121.285 65.278,121.285 65.278,114.427 64.008,113.157 57.658,113.157 57.531,113.284 57.531,118.745 59.309,120.523 60.96,120.523
GND on Bottom Layer "NONET_L-01_P-001" (solid, remove dead copper, pour order 32): 30.734,94.488 33.909,94.488 72.898,94.488 74.93,96.52 74.676,96.774 74.676,124.46 76.581,126.365 124.46,126.365 126.619,124.206 126.619,66.294 124.714,64.389 31.877,64.389 30.734,65.532
GND on Bottom Layer "NONET_L-01_P-001" (solid, remove dead copper, pour order 30): 30.734,96.266 72.263,96.266 74.041,98.044 74.041,124.206 72.136,126.111 72.009,125.984 32.258,125.984 30.734,124.46

## Keep-outs
Keep-Out Layer:
  lines w0.254: 30.206,127 cw(c33.782,127) 37.358,127 ; 30.226,127 30.226,66.048 ; 30.234,66.04 30.226,66.048 ; 37.338,63.631 120.122,63.627 ; 37.338,127 120.15,127 ; 37.379,63.627 cw(c33.802,63.627) 30.226,63.627 30.226,66.048 ; 120.122,127 cw(c123.698,127) 127.274,127 ; 120.124,63.627 ccw(c123.698,63.754) 127.274,63.754 ; 127.254,63.754 127.254,127

## Silkscreen, mask and mechanical layers (free items; w line width, h text height)
Top Overlay:
  text "DEBUG" at 35.941,77.978 h1.52
  text "DEV_KIT" at 101.981,73.787 h1.27
  text "REV_1.1" at 101.981,72.517 h1.27
  text "BOOT" at 80.645,71.374 h1.52
  text "@Kyuubi293" at 102.108,70.231 h1.02
  text "@PhongRF" at 102.235,68.834 h1.02

## Text inside footprints (layer, text, board x,y; h text height)
C2: Top Overlay "+" at 63.509,116.53 h0.51